# Altium PCB MOTHER_BOARD_LS1021_v1.0.PcbDoc (part 11 of 15) (continued)
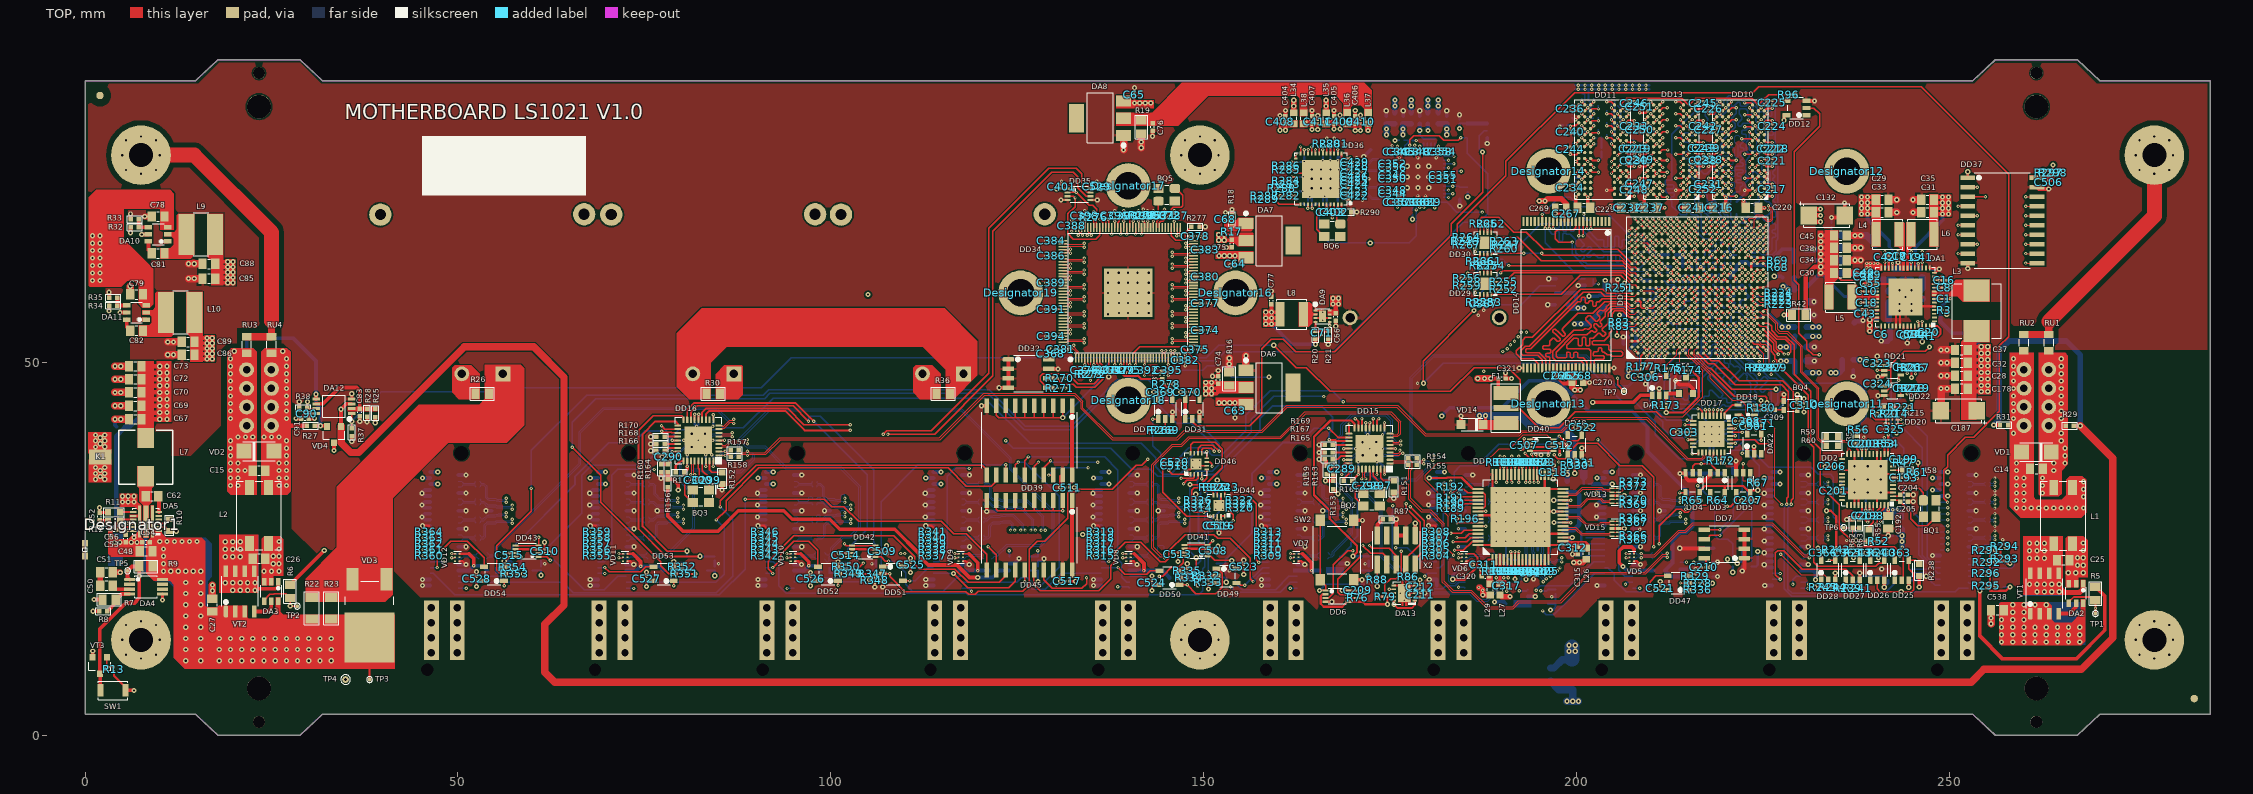
[diagram p0: TOP view]
## Nets (pads, with @x,y where several pads share a name; then routed paths per layer and width w, separated by ;. In a path a pad name is that pad's centre, name@x,y a point inside that pad or via, vN(x,y) a via of type N, cw(c..) or ccw(c..) an arc to the next point about the centre after c; other vN are vias at no path point) (continued)
  BOTTOM w0.12: X5.24@207.575,28.5 207.925,28.5 208.115,28.69 208.115,28.72 208.185,28.79 208.623,28.79 208.788,28.625 v1(208.858,28.625) 208.928,28.625 209.093,28.79 209.72,28.79 209.79,28.72 209.79,28.585 C459.1@209.875,28.5
P1_TXRX_C_P: C443.1 R368.1 X5.26 | length 3.8
  TOP w0.12: R368.1@207.975,29.2 208.025,29.2 208.115,29.11 208.115,29.08 208.185,29.01 208.604,29.01 208.769,29.175 v1(208.858,29.175)
  BOTTOM w0.12: X5.26@207.575,29.3 207.925,29.3 208.115,29.11 208.115,29.08 208.185,29.01 208.623,29.01 208.788,29.175 v1(208.858,29.175) 208.928,29.175 209.093,29.01 209.72,29.01 209.79,29.08 209.79,29.215 C443.1@209.875,29.3
P1_TXRX_D_N: C460.1 R366.1 X5.20 | length 3.9
  TOP w0.12: R366.1@208,26.8 208.05,26.8 208.14,26.71 208.14,26.68 208.21,26.61 208.5,26.61 208.698,26.61 208.863,26.775 v1(208.949,26.775)
  BOTTOM w0.12: X5.20@207.575,26.9 207.925,26.9 208.115,26.71 208.115,26.68 208.185,26.61 208.355,26.61 208.714,26.61 208.879,26.775 v1(208.949,26.775) 209.019,26.775 209.184,26.61 209.462,26.61 209.72,26.61 209.79,26.68 209.79,26.815 C460.1@209.875,26.9
P1_TXRX_D_P: C444.1 R365.1 X5.18 | length 3.9
  TOP w0.12: R365.1@208,26.2 208.05,26.2 208.14,26.29 208.14,26.32 208.21,26.39 208.698,26.39 208.863,26.225 v1(208.949,26.225)
  BOTTOM w0.12: X5.18@207.575,26.1 207.925,26.1 208.115,26.29 208.115,26.32 208.185,26.39 208.446,26.39 208.714,26.39 208.879,26.225 v1(208.949,26.225) 209.019,26.225 209.184,26.39 209.37,26.39 209.72,26.39 209.79,26.32 209.79,26.185 C444.1@209.875,26.1
P2_INT: DD44.3 R321.1 X6.9 | length 31.8
  TOP w0.196: DD44.3@153.475,31.05 R321.1@154.525,31.05
  SIGNAL1 w0.113: v1(154.05,31.05) 155.044,31.05 155.974,30.12 158.984,30.12 ; 159.177,29.928 158.984,30.12 ; v1(175.772,25.142) 174.168,26.746 162.358,26.746 158.984,30.12
  BOTTOM w0.196: v1(175.772,25.142) 177.328,25.142 179.17,23.3 X6.9@181.275,23.3
P2_MDC: DD39.17 X6.4 | length 84.1
  TOP w0.196: DD39.17@128.555,34.9 128.555,35.88 v1(129.475,36.8)
  SIGNAL2 w0.113: v1(135.825,36.6) 140.35,41.125 146.175,41.125 146.519,40.781 146.519,39.044 144.675,37.2 144.675,32.475 149.1,28.05 154.175,28.05 155.307,26.918 168.643,26.918 172.527,30.802 v1(175.384,30.802)
  BOTTOM w0.196: v1(129.475,36.8) 129.675,36.6 v1(135.825,36.6) ; v1(175.384,30.802) 175.384,29.928 175.3,29.844 175.3,23.627 179.275,19.652 182.052,19.652 182.45,20.05 183.76,20.05 184.21,20.5 X6.4@185.075,20.5
P2_MDIO: DD40.8 X6.6 | length 38.3
  TOP w0.15: v1(183.517,24.143) 182.775,24.885 182.775,29.344 181.428,30.691 181.428,32.579 179.725,34.283 179.725,34.865 181.407,36.547 187.722,36.547 189.636,38.462 191.078,38.462 192.896,40.28 196.045,40.28 196.65,39.675 DD40.8@196.9,39.675
  BOTTOM w0.15: v1(183.517,24.143) 182.9,23.525 182.9,20.675 183.175,20.4 183.207,20.4 183.642,20.4 183.648,20.4 184.548,21.3 X6.6@185.075,21.3
P2_PTP_SYNC: DD45.17 X6.5 | length 57.1
  TOP w0.196: DD45.17@128.555,22.175 128.555,20.844 129.706,19.693 133.657,19.693 134.3,20.336 v1(134.3,21.125)
  SIGNAL1 w0.113: v1(134.3,21.125) 135.175,22 141.125,22 141.618,22.493 160.357,22.493 161.375,21.475 166.8,21.475 167.181,21.856 179.103,21.856 v1(179.634,21.326)
  BOTTOM w0.196: v1(179.634,21.326) 180.008,21.7 X6.5@181.275,21.7
P2_RESET: DD48.4 X6.7 | length 33.9
  TOP w0.196: v1(197.671,40.134) 198.137,39.668 198.327,39.668 198.475,39.52 200.144,39.52 200.725,40.101 DD48.4@200.725,40.275
  BOTTOM w0.196: X6.7@181.275,22.5 181.699,22.5 182.163,22.964 182.163,29.69 182.773,30.3 182.773,31.49 182.658,31.605 182.658,32.685 183.596,33.623 183.596,35.295 184.431,36.13 186.693,36.13 189.586,39.023 196.561,39.023 v1(197.671,40.134)
P2_RST: DD46.3 DD48.2 R330.2 R331.2 | length 66.4
  TOP w0.196: v1(147.307,33.745) 147.744,34.182 148.943,34.182 149.25,34.489 DD46.3@149.25,35 ; v1(197.608,36.652) 198.573,36.652 198.699,36.525 R330.2@199.775,36.525 ; DD48.2@199.775,37.575 R330.2@199.775,36.525 ; R331.2@200.375,36.525 R330.2@199.775,36.525
  SIGNAL1 w0.113: v1(166.104,45.431) 167.789,43.745 174.105,43.745 178.313,39.537 186.752,39.537 188.136,38.154 192.193,38.154 193.425,36.922 197.338,36.922 v1(197.608,36.652)
  BOTTOM w0.196: v1(147.307,33.745) 148.987,35.425 151.175,35.425 156.376,40.626 156.376,42.376 159.439,45.439 v1@166.104,45.439
P2_SW_ADDR0: R304.2 X6.11 | length 1.4
  TOP w0.196: v1(180.35,24.1) R304.2@180.875,24.1
  BOTTOM w0.196: v1(180.35,24.1) X6.11@181.275,24.1
P2_SW_ADDR1: R305.2 X6.13 | length 1.4
  TOP w0.196: v1(180.35,24.9) R305.2@180.875,24.9
  BOTTOM w0.196: v1(180.35,24.9) X6.13@181.275,24.9
P2_SW_ADDR2: R306.2 X6.15 | length 1.5
  TOP w0.196: v1(180.35,25.725) R306.2@180.875,25.725
  BOTTOM w0.196: v1(180.35,25.725) 180.375,25.7 X6.15@181.275,25.7
P2_SW_ADDR3: R307.2 X6.17 | length 1.4
  TOP w0.196: v1(180.35,26.5) R307.2@180.875,26.5
  BOTTOM w0.196: v1(180.35,26.5) X6.17@181.275,26.5
P2_SW_ADDR4: R308.2 X6.19 | length 1.4
  TOP w0.196: v1(180.35,27.3) R308.2@180.875,27.3
  BOTTOM w0.196: v1(180.35,27.3) X6.19@181.275,27.3
P2_TXRX_A_N: C461.1 X6.36 | length 2.9
  BOTTOM w0.12: X6.36@185.075,33.3 185.425,33.3 185.615,33.49 185.615,33.52 185.685,33.59 185.855,33.59 187.445,33.59 187.515,33.52 187.515,33.385 C461.1@187.6,33.3
P2_TXRX_A_P: C445.1 X6.38 | length 2.9
  BOTTOM w0.12: X6.38@185.075,34.1 185.425,34.1 185.615,33.91 185.615,33.88 185.685,33.81 185.946,33.81 187.445,33.81 187.515,33.88 187.515,34.015 C445.1@187.6,34.1
P2_TXRX_B_N: C462.1 X6.32 | length 2.9
  BOTTOM w0.12: X6.32@185.075,31.7 185.425,31.7 185.615,31.51 185.615,31.48 185.685,31.41 185.952,31.41 187.022,31.41 187.445,31.41 187.515,31.48 187.515,31.615 C462.1@187.6,31.7
P2_TXRX_B_P: C446.1 X6.30 | length 2.9
  BOTTOM w0.12: X6.30@185.075,30.9 185.425,30.9 185.615,31.09 185.615,31.12 185.685,31.19 185.861,31.19 186.931,31.19 187.445,31.19 187.515,31.12 187.515,30.985 C446.1@187.6,30.9
P2_TXRX_C_N: C463.1 X6.24 | length 2.9
  BOTTOM w0.12: X6.24@185.075,28.5 185.425,28.5 185.615,28.69 185.615,28.72 185.685,28.79 185.855,28.79 187.445,28.79 187.515,28.72 187.515,28.585 C463.1@187.6,28.5
P2_TXRX_C_P: C447.1 X6.26 | length 2.9
  BOTTOM w0.12: X6.26@185.075,29.3 185.425,29.3 185.615,29.11 185.615,29.08 185.685,29.01 185.994,29.01 187.445,29.01 187.515,29.08 187.515,29.215 C447.1@187.6,29.3
P2_TXRX_D_N: C464.1 X6.20 | length 2.9
  BOTTOM w0.12: X6.20@185.075,26.9 185.425,26.9 185.615,26.71 185.615,26.68 185.685,26.61 185.952,26.61 187.445,26.61 187.515,26.68 187.515,26.815 C464.1@187.6,26.9
P2_TXRX_D_P: C448.1 X6.18 | length 2.9
  BOTTOM w0.12: X6.18@185.075,26.1 185.425,26.1 185.615,26.29 185.615,26.32 185.685,26.39 185.861,26.39 187.445,26.39 187.515,26.32 187.515,26.185 C448.1@187.6,26.1
P3_INT: DD44.4 R322.1 X7.9 | length 13.6
  TOP w0.196: DD44.4@153.65,31.55 R322.1@154.525,31.55 154.525,31.603 155.115,32.193 155.942,32.193 157.05,31.085 157.05,23.534 v1(157.383,23.201)
  BOTTOM w0.196: v1(157.383,23.201) 158.676,23.201 X7.9@158.775,23.3
P3_MDC: DD39.16 X7.4 | length 51.1
  TOP w0.196: DD39.16@127.285,34.9 127.285,36.085 v1(127.85,36.65)
  SIGNAL1 w0.113: v1(127.85,36.65) 127.85,30.441 133.569,24.722 133.569,21.317 134.142,20.743 134.458,20.743 134.682,20.967 134.682,21.048 135.134,21.5 142.175,21.5 142.531,21.856 149.694,21.856 151.624,19.926 v1(153.607,19.926)
  BOTTOM w0.196: v1(153.607,19.926) 154.351,19.182 160.278,19.182 161.596,20.5 X7.4@162.575,20.5
P3_MDIO: DD41.1 X7.6 | length 16.1
  TOP w0.196: DD41.1@150.525,24.025 150.954,24.025 151.528,23.451 v2(153.783,23.451)
  BOTTOM w0.196: v2(153.783,23.451) 154.236,22.998 154.236,20.449 155.151,19.533 159.655,19.533 161.422,21.3 X7.6@162.575,21.3
P3_PTP_SYNC: DD45.16 X7.5 | length 46.2
  TOP w0.196: DD45.16@127.285,22.175 127.227,22.117 127.227,20.242 128.072,19.397 135.964,19.397 137.572,21.005 137.572,22.772 138.056,23.256 138.056,24.49 139.484,25.918 141.541,25.918 144.204,23.256 144.857,23.256 145.352,23.75 145.352,24.752 147.511,26.911 151.392,26.911 151.902,26.401 153.596,26.401 156.233,23.764 156.233,21.013 v1(156.627,20.619)
  BOTTOM w0.196: v1(156.627,20.619) 157.707,21.7 X7.5@158.775,21.7
P3_RESET: DD49.4 X7.7 | length 5.5
  TOP w0.196: DD49.4@154.425,20.425 154.628,20.425 154.953,20.1 v1(155.5,20.1)
  BOTTOM w0.196: v1(155.5,20.1) 157.9,22.5 X7.7@158.775,22.5
P3_RST: DD46.4 DD49.2 R332.2 R333.2 | length 16.8
  TOP w0.196: v1(149.75,34.425) DD46.4@149.75,35 ; R333.2@150.65,20.825 R332.2@150.65,21.375 ; v1(150.652,21.968) 150.65,21.966 R332.2@150.65,21.375 ; DD49.2@151.725,21.375 R332.2@150.65,21.375
  BOTTOM w0.196: v1(149.75,34.425) 150.873,33.302 152.075,32.1 152.075,30 150.652,28.577 v1(150.652,21.968)
P3_SW_ADDR0: R309.2 X7.11 | length 1.4
  TOP w0.196: v1(157.85,24.1) R309.2@158.375,24.1
  BOTTOM w0.196: v1(157.85,24.1) X7.11@158.775,24.1
P3_SW_ADDR1: R310.2 X7.13 | length 1.4
  TOP w0.196: v1(157.85,24.9) R310.2@158.375,24.9
  BOTTOM w0.196: v1(157.85,24.9) X7.13@158.775,24.9
P3_SW_ADDR2: R311.2 X7.15 | length 1.4
  TOP w0.196: v1(157.85,25.7) R311.2@158.375,25.7
  BOTTOM w0.196: v1(157.85,25.7) X7.15@158.775,25.7
P3_SW_ADDR3: R312.2 X7.17 | length 1.4
  TOP w0.196: v1(157.85,26.5) R312.2@158.375,26.5
  BOTTOM w0.196: v1(157.85,26.5) X7.17@158.775,26.5
P3_SW_ADDR4: R313.2 X7.19 | length 1.4
  TOP w0.196: v1(157.85,27.3) R313.2@158.375,27.3
  BOTTOM w0.196: v1(157.85,27.3) X7.19@158.775,27.3
P3_TXRX_A_N: C465.1 X7.36 | length 2.6
  BOTTOM w0.12: X7.36@162.575,33.3 162.925,33.3 163.115,33.49 163.115,33.52 163.185,33.59 163.355,33.59 164.695,33.59 164.765,33.52 164.765,33.385 C465.1@164.85,33.3
P3_TXRX_A_P: C449.1 X7.38 | length 2.6
  BOTTOM w0.12: X7.38@162.575,34.1 162.925,34.1 163.115,33.91 163.115,33.88 163.185,33.81 163.446,33.81 164.695,33.81 164.765,33.88 164.765,34.015 C449.1@164.85,34.1
P3_TXRX_B_N: C466.1 X7.32 | length 2.6
  BOTTOM w0.12: X7.32@162.575,31.7 162.925,31.7 163.115,31.51 163.115,31.48 163.185,31.41 163.469,31.41 164.322,31.41 164.695,31.41 164.765,31.48 164.765,31.615 C466.1@164.85,31.7
P3_TXRX_B_P: C450.1 X7.30 | length 2.6
  BOTTOM w0.12: X7.30@162.575,30.9 162.925,30.9 163.115,31.09 163.115,31.12 163.185,31.19 163.361,31.19 164.231,31.19 164.695,31.19 164.765,31.12 164.765,30.985 C450.1@164.85,30.9
P3_TXRX_C_N: C467.1 X7.24 | length 2.6
  BOTTOM w0.12: X7.24@162.575,28.5 162.925,28.5 163.115,28.69 163.115,28.72 163.185,28.79 163.355,28.79 164.695,28.79 164.765,28.72 164.765,28.585 C467.1@164.85,28.5
P3_TXRX_C_P: C451.1 X7.26 | length 2.6
  BOTTOM w0.12: X7.26@162.575,29.3 162.925,29.3 163.115,29.11 163.115,29.08 163.185,29.01 163.446,29.01 164.695,29.01 164.765,29.08 164.765,29.215 C451.1@164.85,29.3
P3_TXRX_D_N: C468.1 X7.20 | length 2.6
  BOTTOM w0.12: X7.20@162.575,26.9 162.925,26.9 163.115,26.71 163.115,26.68 163.185,26.61 163.452,26.61 164.695,26.61 164.765,26.68 164.765,26.815 C468.1@164.85,26.9
P3_TXRX_D_P: C452.1 X7.18 | length 2.6
  BOTTOM w0.12: X7.18@162.575,26.1 162.925,26.1 163.115,26.29 163.115,26.32 163.185,26.39 163.361,26.39 164.695,26.39 164.765,26.32 164.765,26.185 C452.1@164.85,26.1
P4_INT: DD44.5 R323.1 X8.9 | length 25
  TOP w0.196: DD44.5@152.825,32.2 R323.1@152.825,32.975 v1(153.377,32.975)
  SIGNAL1 w0.113: v1(137.263,23.3) 140.232,23.3 142.449,25.517 149.07,25.517 151.471,27.918 152.693,27.918 153.377,28.602 v1(153.377,32.975)
  BOTTOM w0.196: X8.9@136.275,23.3 v1(137.263,23.3)
P4_MDC: DD39.15 X8.4 | length 31.3
  TOP w0.196: DD39.15@126.015,34.9 126.015,36.847 v1(126.498,37.33)
  BOTTOM w0.196: v1(126.498,37.33) 136.717,37.33 138.483,35.563 138.483,23.597 138.996,23.084 138.996,21.165 139.662,20.5 X8.4@140.075,20.5
P4_MDIO: DD41.8 X8.6 | length 9.6
  TOP w0.196: v1(144.075,21.35) 144.5,21.35 145.75,22.6 146.725,22.6 147.252,23.127 147.252,23.852 DD41.8@147.425,24.025
  BOTTOM w0.196: X8.6@140.075,21.3 141.55,21.3 142.375,20.475 143.2,20.475 v1(144.075,21.35)
P4_PTP_SYNC: DD45.15 X8.5 | length 13.1
  TOP w0.196: DD45.15@126.015,22.175 126.015,20.66 v1@126.075,20.6
  BOTTOM w0.196: v1(126.025,20.625) 127.048,19.602 128.784,19.602 130.882,21.7 X8.5@136.275,21.7
P4_RESET: DD50.4 X8.7 | length 8.4
  TOP w0.196: v1(138.525,22.5) 139.417,21.608 142.373,21.608 142.84,22.075 DD50.4@144.075,22.075
  BOTTOM w0.196: X8.7@136.275,22.5 v1(138.525,22.5)
P4_RST: DD46.5 DD50.2 R334.2 R335.2 | length 18.4
  TOP w0.196: DD50.2@146.775,21.125 R334.2@147.8,21.125 R335.2@147.8,21.8 148.279,21.8 149,22.52 149,23.793 v2(149.007,23.801) ; v2(148.158,33.624) 149.577,33.624 150.4,34.447 DD46.5@150.4,35.65
  BOTTOM w0.196: v2(148.158,33.624) 148.158,24.65 v2(149.007,23.801)
P4_SW_ADDR0: R315.2 X8.11 | length 1.4
  TOP w0.196: v1(135.35,24.1) R315.2@135.875,24.1
  BOTTOM w0.196: v1(135.35,24.1) X8.11@136.275,24.1
P4_SW_ADDR1: R316.2 X8.13 | length 1.4
  TOP w0.196: v1(135.35,24.9) R316.2@135.875,24.9
  BOTTOM w0.196: v1(135.35,24.9) X8.13@136.275,24.9
P4_SW_ADDR2: R317.2 X8.15 | length 1.4
  TOP w0.196: v1(135.35,25.7) R317.2@135.875,25.7
  BOTTOM w0.196: v1(135.35,25.7) X8.15@136.275,25.7
P4_SW_ADDR3: R318.2 X8.17 | length 1.4
  TOP w0.196: v1(135.35,26.5) R318.2@135.875,26.5
  BOTTOM w0.196: v1(135.35,26.5) X8.17@136.275,26.5
P4_SW_ADDR4: R319.2 X8.19 | length 1.4
  TOP w0.196: v1(135.35,27.3) R319.2@135.875,27.3
  BOTTOM w0.196: v1(135.35,27.3) X8.19@136.275,27.3
P4_TXRX_A_N: C469.1 X8.36 | length 2.8
  BOTTOM w0.12: X8.36@140.075,33.3 140.425,33.3 140.615,33.49 140.615,33.52 140.685,33.59 142.395,33.59 142.465,33.52 142.465,33.385 C469.1@142.55,33.3
P4_TXRX_A_P: C453.1 X8.38 | length 2.8
  BOTTOM w0.12: X8.38@140.075,34.1 140.425,34.1 140.615,33.91 140.615,33.88 140.685,33.81 142.395,33.81 142.465,33.88 142.465,34.015 C453.1@142.55,34.1
P4_TXRX_B_N: C470.1 X8.32 | length 2.8
  BOTTOM w0.12: X8.32@140.075,31.7 140.425,31.7 140.615,31.51 140.615,31.48 140.685,31.41 142.06,31.41 142.395,31.41 142.465,31.48 142.465,31.615 C470.1@142.55,31.7
P4_TXRX_B_P: C454.1 X8.30 | length 2.8
  BOTTOM w0.12: X8.30@140.075,30.9 140.425,30.9 140.615,31.09 140.615,31.12 140.685,31.19 141.969,31.19 142.395,31.19 142.465,31.12 142.465,30.985 C454.1@142.55,30.9
P4_TXRX_C_N: C471.1 X8.24 | length 2.8
  BOTTOM w0.12: X8.24@140.075,28.5 140.425,28.5 140.615,28.69 140.615,28.72 140.685,28.79 140.855,28.79 142.395,28.79 142.465,28.72 142.465,28.585 C471.1@142.55,28.5
P4_TXRX_C_P: C455.1 X8.26 | length 2.8
  BOTTOM w0.12: X8.26@140.075,29.3 140.425,29.3 140.615,29.11 140.615,29.08 140.685,29.01 140.946,29.01 142.395,29.01 142.465,29.08 142.465,29.215 C455.1@142.55,29.3
P4_TXRX_D_N: C472.1 X8.20 | length 2.8
  BOTTOM w0.12: X8.20@140.075,26.9 140.425,26.9 140.615,26.71 140.615,26.68 140.685,26.61 142.395,26.61 142.465,26.68 142.465,26.815 C472.1@142.55,26.9
P4_TXRX_D_P: C456.1 X8.18 | length 2.8
  BOTTOM w0.12: X8.18@140.075,26.1 140.425,26.1 140.615,26.29 140.615,26.32 140.685,26.39 142.395,26.39 142.465,26.32 142.465,26.185 C456.1@142.55,26.1
P5_INT: DD44.7 R324.1 X9.9 | length 65.8
  TOP w0.196: DD44.7@151.825,32.2 R324.1@151.825,32.975 152.204,32.975 v1(152.275,32.975)
  SIGNAL1 w0.113: v1(118.589,35.789) 120.726,37.926 127.647,37.926 128.25,37.323 128.25,30.7 133.632,25.318 135.508,25.318 135.515,25.325 139.825,25.325 140.418,25.918 148.1,25.918 152.168,29.987 152.168,31.734 152.275,31.841 v1(152.275,32.975)
  BOTTOM w0.196: X9.9@113.775,23.3 114.468,23.3 115.636,24.468 115.636,34.77 116.655,35.789 v1(118.589,35.789)
P5_MDC: DD39.14 X9.4 | length 33.6
  TOP w0.196: DD39.14@124.745,34.9 124.745,36.266 v1(125.127,36.648)
  BOTTOM w0.196: X9.4@117.575,20.5 124.957,20.5 125.572,21.115 126.378,21.115 127.416,20.077 128.179,20.077 130.616,22.514 130.616,32.071 126.039,36.648 v1(125.127,36.648)
P5_MDIO: DD42.1 X9.6 | length 15.2
  TOP w0.196: DD42.1@105.975,23.95 106.75,23.95 107.327,23.373 v1(107.743,23.373)
  BOTTOM w0.196: v1(107.743,23.373) 108.488,23.373 110.031,21.83 110.031,20.265 110.96,19.336 115.103,19.336 117.067,21.3 X9.6@117.575,21.3
P5_PTP_SYNC: DD45.14 X9.5 | length 13.6
  TOP w0.196: v2(116.449,21.7) 118.348,19.8 123.87,19.8 124.745,20.675 DD45.14@124.745,22.175
  BOTTOM w0.196: X9.5@113.775,21.7 v2(116.449,21.7)
P5_RESET: DD51.4 X9.7 | length 4.8
  TOP w0.196: DD51.4@109.675,20.7 v1(110.6,20.7)
  BOTTOM w0.196: v1(110.6,20.7) 111.3,20.7 113.1,22.5 X9.7@113.775,22.5
P5_RST: DD46.7 DD51.2 R347.2 R348.2 | length 61.6
  TOP w0.196: R348.2@105.9,21.075 R347.2@105.9,21.65 DD51.2@106.975,21.65 v1(107.925,21.65) 107.925,21.3 109.95,19.275 118.125,19.275 118.508,18.892 119.392,18.892 119.805,19.305 125.755,19.305 126.6,20.15 126.6,24.95 127.675,26.025 128.7,26.025 131.775,29.1 131.775,32.55 131.902,32.677 132.877,32.677 133.223,33.023 137.773,33.023 140.95,36.2 141.725,36.2 v1(142.525,37) ; DD46.7@150.4,36.65 150.875,36.65 151.1,36.425 151.1,36.1 151.123,36.077 v1(151.132,36.077)
  SIGNAL1 w0.113: v1(142.525,37) 145.635,37 146.96,35.675 147.33,35.675 148.055,36.4 150.809,36.4 v1(151.132,36.077)
P5_SW_ADDR0: R337.2 X9.11 | length 1.4
  TOP w0.196: v1(112.875,24.1) R337.2@113.4,24.1
  BOTTOM w0.196: v1(112.875,24.1) X9.11@113.775,24.1
P5_SW_ADDR1: R338.2 X9.13 | length 1.4
  TOP w0.196: v1(112.875,24.9) R338.2@113.4,24.9
  BOTTOM w0.196: v1(112.875,24.9) X9.13@113.775,24.9
P5_SW_ADDR2: R339.2 X9.15 | length 1.4
  TOP w0.196: v1(112.875,25.7) R339.2@113.4,25.7
  BOTTOM w0.196: v1(112.875,25.7) X9.15@113.775,25.7
P5_SW_ADDR3: R340.2 X9.17 | length 1.4
  TOP w0.196: v1(112.875,26.5) R340.2@113.4,26.5
  BOTTOM w0.196: v1(112.875,26.5) X9.17@113.775,26.5
P5_SW_ADDR4: R341.2 X9.19 | length 1.4
  TOP w0.196: v1(112.875,27.3) R341.2@113.4,27.3
  BOTTOM w0.196: v1(112.875,27.3) X9.19@113.775,27.3
P5_TXRX_A_N: C473.1 X9.36 | length 2.7
  BOTTOM w0.12: X9.36@117.575,33.3 117.925,33.3 118.115,33.49 118.115,33.52 118.185,33.59 119.269,33.59 119.795,33.59 119.865,33.52 119.865,33.385 C473.1@119.95,33.3
P5_TXRX_A_P: C489.1 X9.38 | length 2.7
  BOTTOM w0.12: X9.38@117.575,34.1 117.925,34.1 118.115,33.91 118.115,33.88 118.185,33.81 119.163,33.81 119.795,33.81 119.865,33.88 119.865,34.015 C489.1@119.95,34.1
P5_TXRX_B_N: C474.1 X9.32 | length 2.7
  BOTTOM w0.12: X9.32@117.575,31.7 117.925,31.7 118.115,31.51 118.115,31.48 118.185,31.41 118.355,31.41 119.66,31.41 119.795,31.41 119.865,31.48 119.865,31.615 C474.1@119.95,31.7
P5_TXRX_B_P: C490.1 X9.30 | length 2.7
  BOTTOM w0.12: X9.30@117.575,30.9 117.925,30.9 118.115,31.09 118.115,31.12 118.185,31.19 118.446,31.19 119.569,31.19 119.795,31.19 119.865,31.12 119.865,30.985 C490.1@119.95,30.9
P5_TXRX_C_N: C475.1 X9.24 | length 2.7
  BOTTOM w0.12: X9.24@117.575,28.5 117.925,28.5 118.115,28.69 118.115,28.72 118.185,28.79 119.795,28.79 119.865,28.72 119.865,28.585 C475.1@119.95,28.5
P5_TXRX_C_P: C491.1 X9.26 | length 2.7
  BOTTOM w0.12: X9.26@117.575,29.3 117.925,29.3 118.115,29.11 118.115,29.08 118.185,29.01 119.795,29.01 119.865,29.08 119.865,29.215 C491.1@119.95,29.3
P5_TXRX_D_N: C476.1 X9.20 | length 2.7
  BOTTOM w0.12: X9.20@117.575,26.9 117.925,26.9 118.115,26.71 118.115,26.68 118.185,26.61 118.355,26.61 119.795,26.61 119.865,26.68 119.865,26.815 C476.1@119.95,26.9
P5_TXRX_D_P: C492.1 X9.18 | length 2.7
  BOTTOM w0.12: X9.18@117.575,26.1 117.925,26.1 118.115,26.29 118.115,26.32 118.185,26.39 118.446,26.39 119.795,26.39 119.865,26.32 119.865,26.185 C492.1@119.95,26.1
P6_INT: DD44.8 R325.1 X10.9 | length 77.8
  TOP w0.196: v1(150.175,32.75) 151.325,32.75 ; DD44.8@151.325,32.2 151.325,32.75 ; R325.1@151.325,32.975 151.325,32.75
  BOTTOM w0.196: X10.9@91.275,23.3 92.3,23.3 93.025,22.575 93.025,20.025 94.01,19.04 118.21,19.04 118.373,18.877 149.377,18.877 149.875,19.375 149.875,22.325 150.15,22.6 150.15,29.427 150.473,29.75 150.473,30.375 150.473,30.919 150.48,30.926 150.48,32.445 v1(150.175,32.75)
P6_MDC: DD39.13 X10.4 | length 42.3
  TOP w0.196: DD39.13@123.475,34.9 123.475,36.256 v1(123.487,36.268)
  BOTTOM w0.196: X10.4@95.075,20.5 95.075,20.598 104.313,20.598 104.609,20.302 105.452,20.302 106.738,21.588 106.738,31.349 111.657,36.268 v1(123.487,36.268)
P6_MDIO: DD42.8 X10.6 | length 11.6
  TOP w0.196: DD42.8@102.875,23.95 v1(103.6,23.95)
  BOTTOM w0.196: X10.6@95.075,21.3 96.825,21.3 97.025,21.1 102.625,21.1 103.002,21.477 103.002,22.027 103.6,22.625 v1(103.6,23.95)
P6_PTP_SYNC: DD45.13 X10.5 | length 40.4
  TOP w0.196: v1(92.216,21.706) 91.612,22.309 91.612,23.364 95.007,26.759 108.466,26.759 111.248,23.977 111.248,22.971 111.919,22.3 116.643,22.3 118.439,20.504 122.582,20.504 123.475,21.397 DD45.13@123.475,22.175
  BOTTOM w0.196: X10.5@91.275,21.7 92.21,21.7 v1(92.216,21.706)
P6_RESET: DD52.4 X10.7 | length 11.6
  TOP w0.196: v1(92.225,22.5) 93.299,23.574 93.299,24.287 95.012,26 97.075,26 98.275,24.8 DD52.4@98.275,22.6
  BOTTOM w0.196: X10.7@91.275,22.5 v1(92.225,22.5)
P6_RST: DD46.8 DD52.2 R349.2 R350.2 | length 80.6
  TOP w0.196: DD52.2@100.975,21.65 R349.2@102.1,21.65 R350.2@102.1,22.3 103.575,22.3 v1(104.375,23.1) ; DD46.8@150.4,37.15 v1(150.4,38.05)
  SIGNAL1 w0.113: v1(104.375,23.1) 104.375,24.372 100.55,28.197 100.55,40.875 102.65,42.975 119.975,42.975 v1(123.45,39.5)
  BOTTOM w0.196: v1(123.45,39.5) 124.45,38.5 137.575,38.5 140.375,35.7 142.875,35.7 143.85,34.725 146.53,34.725 148,36.195 148,37 149.05,38.05 v1(150.4,38.05)
P6_SW_ADDR0: R342.2 X10.11 | length 1.4
  TOP w0.196: v1(90.375,24.1) R342.2@90.9,24.1
  BOTTOM w0.196: v1(90.375,24.1) X10.11@91.275,24.1
P6_SW_ADDR1: R343.2 X10.13 | length 1.4
  TOP w0.196: v1(90.375,24.9) R343.2@90.9,24.9
  BOTTOM w0.196: v1(90.375,24.9) X10.13@91.275,24.9
P6_SW_ADDR2: R344.2 X10.15 | length 1.4
  TOP w0.196: v1(90.375,25.7) R344.2@90.9,25.7
  BOTTOM w0.196: v1(90.375,25.7) X10.15@91.275,25.7
P6_SW_ADDR3: R345.2 X10.17 | length 1.4
  TOP w0.196: v1(90.375,26.5) R345.2@90.9,26.5
  BOTTOM w0.196: v1(90.375,26.5) X10.17@91.275,26.5
P6_SW_ADDR4: R346.2 X10.19 | length 1.4
  TOP w0.196: v1(90.375,27.3) R346.2@90.9,27.3
  BOTTOM w0.196: v1(90.375,27.3) X10.19@91.275,27.3
P6_TXRX_A_N: C477.1 X10.36 | length 2.8
  BOTTOM w0.12: X10.36@95.075,33.3 95.425,33.3 95.615,33.49 95.615,33.52 95.685,33.59 96.694,33.59 97.42,33.59 97.49,33.52 97.49,33.385 C477.1@97.575,33.3
P6_TXRX_A_P: C493.1 X10.38 | length 2.8
  BOTTOM w0.12: X10.38@95.075,34.1 95.425,34.1 95.615,33.91 95.615,33.88 95.685,33.81 96.588,33.81 97.42,33.81 97.49,33.88 97.49,34.015 C493.1@97.575,34.1
P6_TXRX_B_N: C478.1 X10.32 | length 3.3
  BOTTOM w0.12: X10.32@95.075,31.7 95.425,31.7 95.615,31.51 95.615,31.48 95.685,31.41 95.877,31.41 96.918,31.41 97.044,31.535 97.044,31.894 97.15,32 97.4,32 97.575,31.825 C478.1@97.575,31.7
P6_TXRX_B_P: C494.1 X10.30 | length 2.8
  BOTTOM w0.12: X10.30@95.075,30.9 95.425,30.9 95.615,31.09 95.615,31.12 95.685,31.19 95.969,31.19 97.194,31.19 97.42,31.19 97.49,31.12 97.49,30.985 C494.1@97.575,30.9
P6_TXRX_C_N: C479.1 X10.24 | length 2.9
  BOTTOM w0.12: X10.24@95.075,28.5 95.425,28.5 95.615,28.69 95.615,28.72 95.698,28.802 97.432,28.802 97.503,28.732 97.503,28.572 C479.1@97.575,28.5
P6_TXRX_C_P: C495.1 X10.26 | length 2.9
  BOTTOM w0.12: X10.26@95.075,29.3 95.425,29.3 95.615,29.11 95.615,29.08 95.673,29.022 97.432,29.022 97.503,29.093 97.503,29.253 C495.1@97.575,29.325
P6_TXRX_D_N: C480.1 X10.20 | length 2.8
  BOTTOM w0.12: X10.20@95.075,26.9 95.425,26.9 95.615,26.71 95.615,26.68 95.685,26.61 95.902,26.61 97.42,26.61 97.49,26.68 97.49,26.815 C480.1@97.575,26.9
P6_TXRX_D_P: C496.1 X10.18 | length 2.8
  BOTTOM w0.12: X10.18@95.075,26.1 95.425,26.1 95.615,26.29 95.615,26.32 95.685,26.39 95.994,26.39 97.42,26.39 97.49,26.32 97.49,26.185 C496.1@97.575,26.1
P7_INT: DD44.9 R326.1 X11.9 | length 112.6
  TOP w0.196: R326.1@149.55,31.55 149.657,31.657 v1(150.05,31.657) 150.568,31.657 DD44.9@150.675,31.55
  SIGNAL1 w0.113: v1(76.325,35.65) 76.356,35.681 76.356,38.881 82.797,45.321 121.554,45.321 128.868,38.007 128.868,34.107 133.194,29.781 135.569,29.781 138.65,26.7 146.475,26.7 148.524,28.749 148.524,30.374 149.807,31.657 v1(150.05,31.657)
  BOTTOM w0.196: X11.9@68.775,23.3 69.6,23.3 70.653,24.353 70.653,34.853 71.45,35.65 v1(76.325,35.65)
P7_MDC: DD39.12 X11.4 | length 64.6
  TOP w0.196: v1(84.65,28.875) 85.975,30.2 85.975,31.475 90.35,35.85 115.726,35.85 118.175,33.401 121.526,33.401 122.205,34.08 DD39.12@122.205,34.9
  BOTTOM w0.196: X11.4@72.575,20.5 84.575,20.5 85.7,21.625 85.7,27.825 v1(84.65,28.875)
P7_MDIO: DD43.1 X11.6 | length 14.3
  TOP w0.196: DD43.1@60.825,23.95 61.945,23.95 v1(62.402,23.493)
  BOTTOM w0.196: v1(62.402,23.493) 62.947,23.493 66.928,19.512 69.65,19.512 71.438,21.3 X11.6@72.575,21.3
P7_PTP_SYNC: DD45.12 X11.5 | length 58.5
  TOP w0.196: v1(121.089,25.3) 121.1,25.3 122.205,24.195 DD45.12@122.205,22.175
  SIGNAL1 w0.113: v1(69.7,21.7) 70.293,22.293 75.002,22.293 75.09,22.381 91.804,22.381 92.067,22.118 96.852,22.118 97.09,22.356 104.573,22.356 104.9,22.684 104.9,23.1 105.555,23.755 109.195,23.755 109.925,23.025 117.098,23.025 117.516,23.443 119.232,23.443 v1(121.089,25.3)
  BOTTOM w0.196: X11.5@68.775,21.7 v1(69.7,21.7)
P7_RESET: DD53.4 X11.7 | length 8
  TOP w0.196: v1(69.7,22.5) 70.275,21.925 74.5,21.925 75.175,22.6 DD53.4@76.25,22.6
  BOTTOM w0.196: X11.7@68.775,22.5 v1(69.7,22.5)
P7_RST: DD46.9 DD53.2 R351.2 R352.2 | length 127.2
  TOP w0.196: v1(65.35,38.65) 69.15,34.85 69.15,31.275 77.175,23.25 77.175,22.725 78.25,21.65 DD53.2@78.95,21.65 R351.2@80.1,21.65 R352.2@80.1,22.275 ; DD46.9@149.75,37.8 149.75,38.3 149.945,38.495 151.005,38.495 v1(151.425,38.075)
  BOTTOM w0.196: v1(65.35,38.65) 65.35,41.992 68.516,45.158 91.133,45.158 91.85,45.875 121.05,45.875 125.917,41.008 132.408,41.008 138.775,47.375 140.925,47.375 146.425,41.875 148.35,41.875 151.425,38.8 v1(151.425,38.075)
P7_SW_ADDR0: R355.2 X11.11 | length 1.4
  TOP w0.196: v1(67.85,24.1) R355.2@68.375,24.1
  BOTTOM w0.196: v1(67.85,24.1) X11.11@68.775,24.1
P7_SW_ADDR1: R356.2 X11.13 | length 1.4
  TOP w0.196: v1(67.85,24.9) R356.2@68.375,24.9
  BOTTOM w0.196: v1(67.85,24.9) X11.13@68.775,24.9
P7_SW_ADDR2: R357.2 X11.15 | length 1.5
  TOP w0.196: v1(67.85,25.709) R357.2@68.375,25.709
  BOTTOM w0.196: v1(67.85,25.709) 67.859,25.7 X11.15@68.775,25.7
P7_SW_ADDR3: R358.2 X11.17 | length 1.4
  TOP w0.196: v1(67.85,26.5) R358.2@68.375,26.5
  BOTTOM w0.196: v1(67.85,26.5) X11.17@68.775,26.5
P7_SW_ADDR4: R359.2 X11.19 | length 1.4
  TOP w0.196: v1(67.85,27.3) R359.2@68.375,27.3
  BOTTOM w0.196: v1(67.85,27.3) X11.19@68.775,27.3
P7_TXRX_A_N: C481.1 X11.36 | length 2.8
  BOTTOM w0.12: X11.36@72.575,33.3 72.925,33.3 73.115,33.49 73.115,33.52 73.185,33.59 74.094,33.59 74.845,33.59 74.915,33.52 74.915,33.385 C481.1@75,33.3
P7_TXRX_A_P: C497.1 X11.38 | length 2.8
  BOTTOM w0.12: X11.38@72.575,34.1 72.925,34.1 73.115,33.91 73.115,33.88 73.185,33.81 73.988,33.81 ; 73.988,33.81 74.845,33.81 74.915,33.88 74.915,34.015 C497.1@75,34.1
P7_TXRX_B_N: C482.1 X11.32 | length 2.8
  BOTTOM w0.12: X11.32@72.575,31.7 72.925,31.7 73.115,31.51 73.115,31.48 73.185,31.41 73.355,31.41 74.657,31.41 74.845,31.41 74.915,31.48 74.915,31.615 C482.1@75,31.7